# KiCad board GaussSpeedway.kicad_pcb
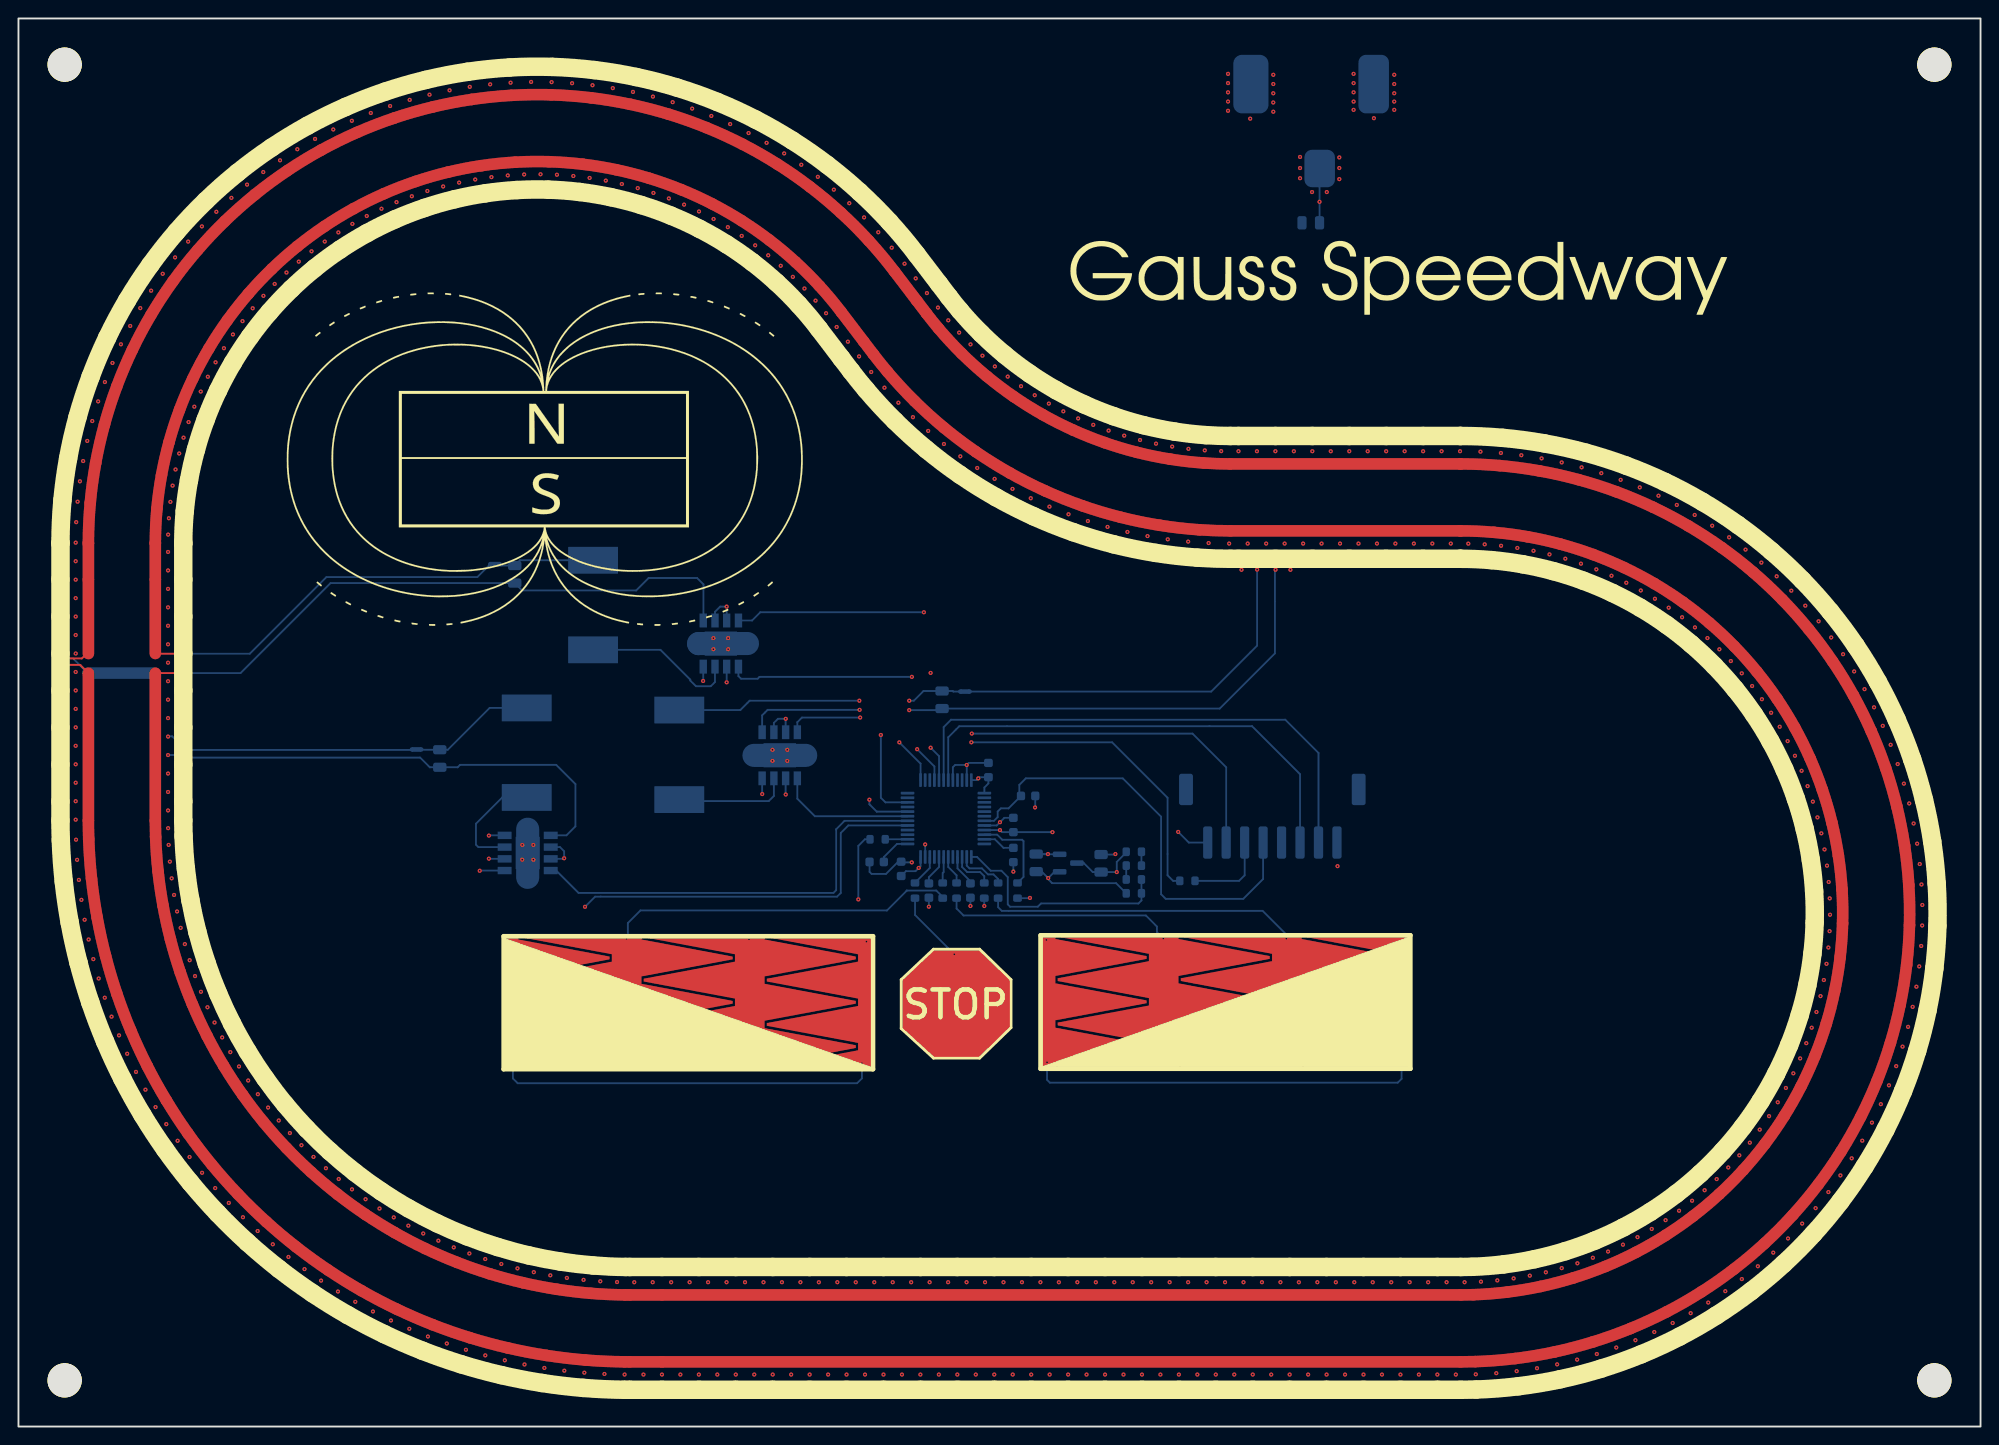
[diagram p0: board, top side]
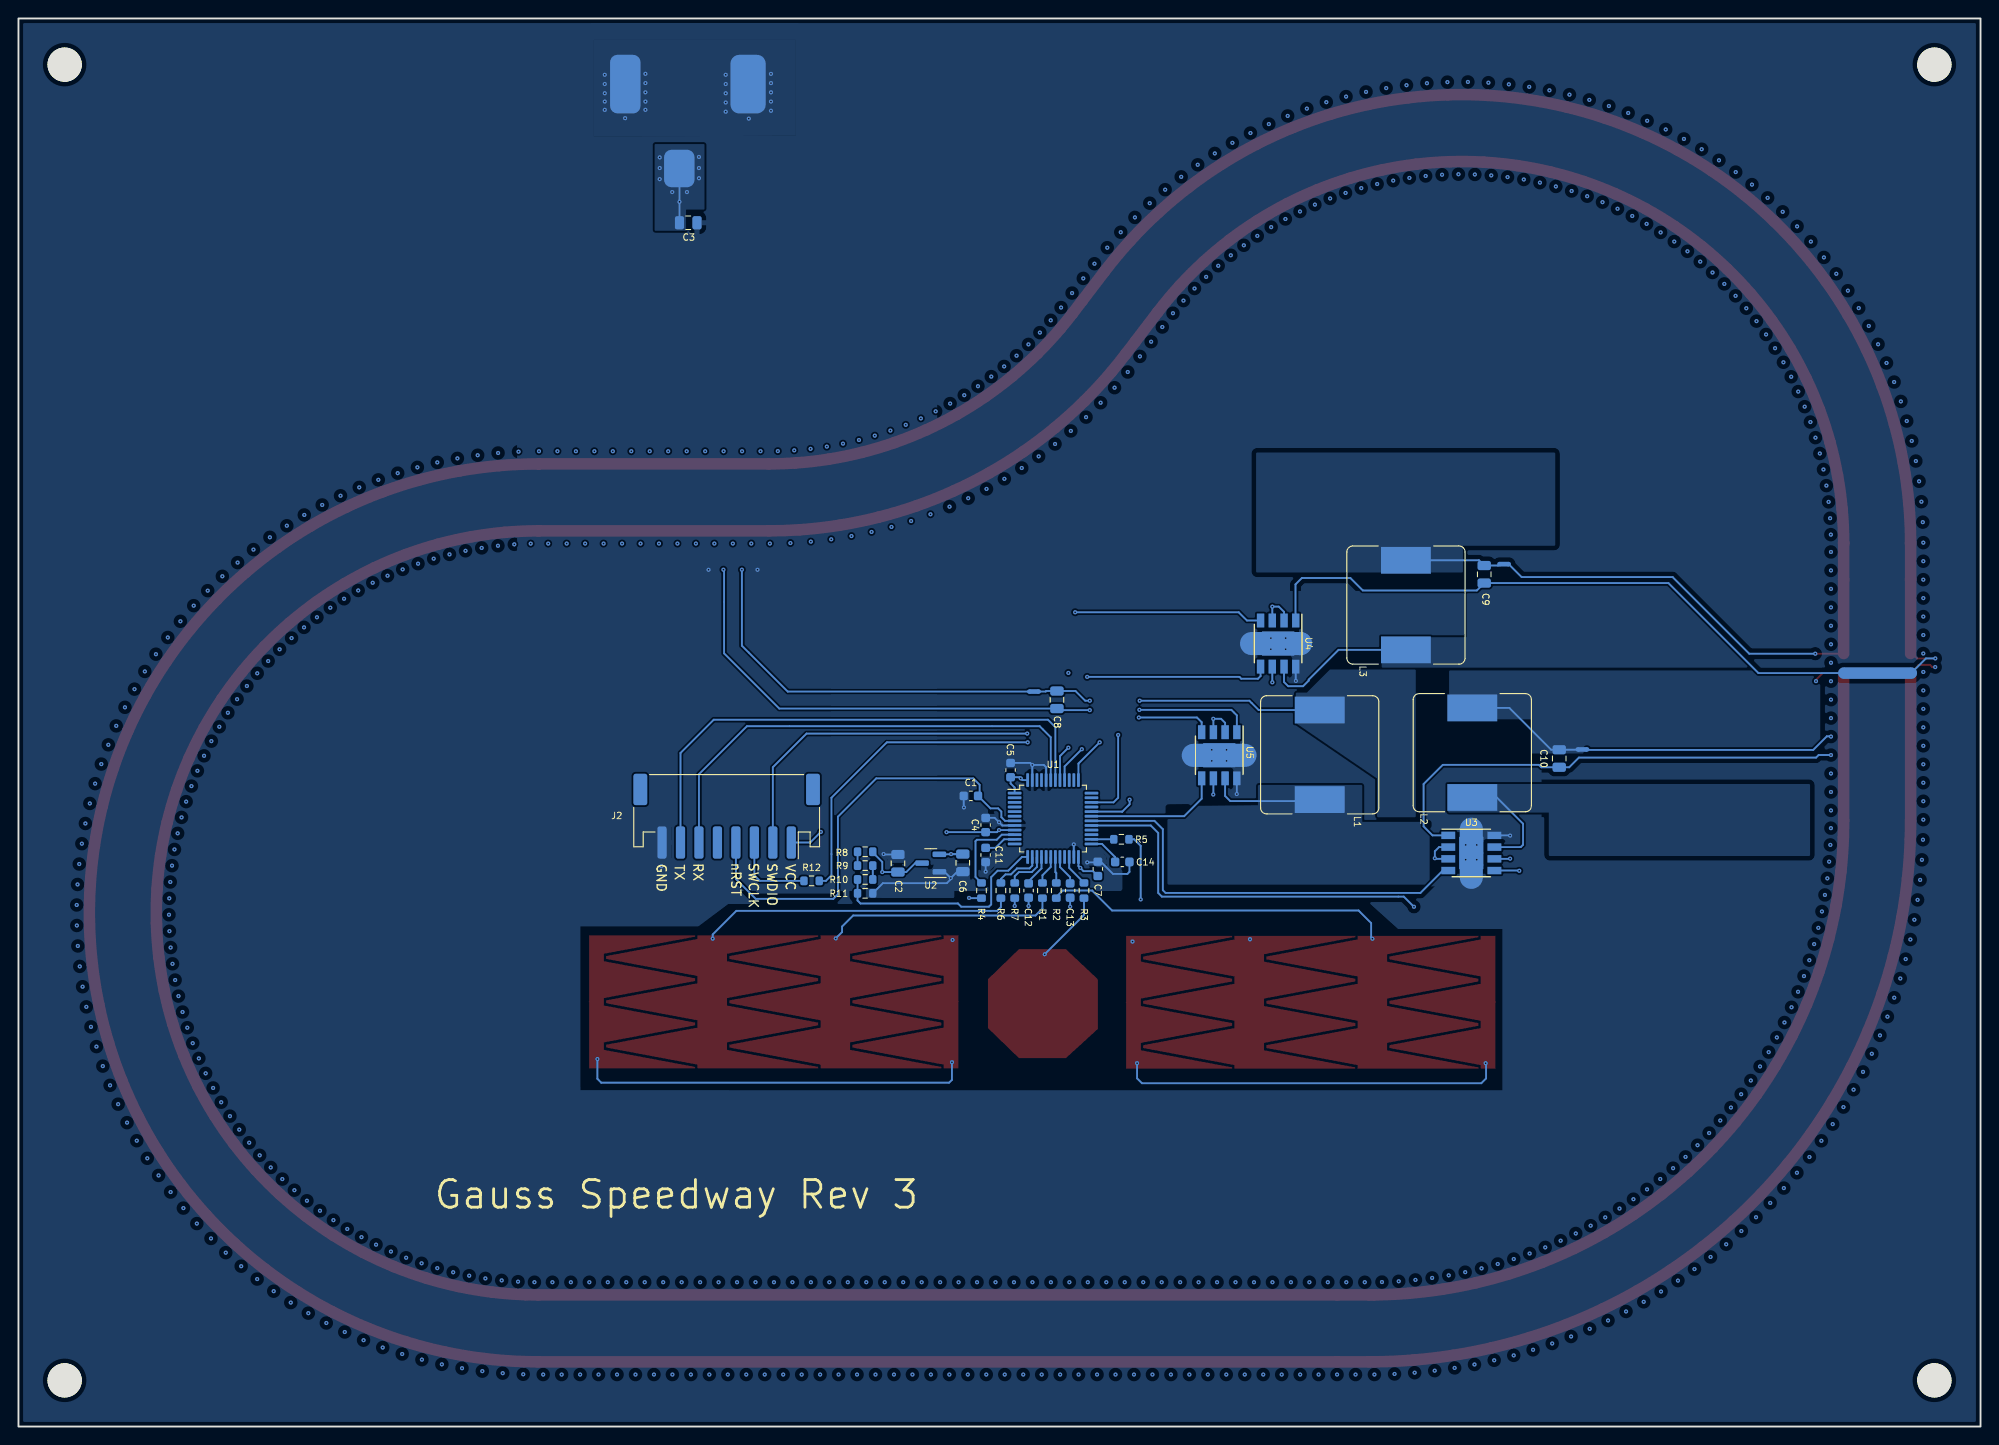
[diagram p1: board, bottom side, seen from below]

Outline 212.5 x 152.5 mm; copper layers: Top, In1.Cu, In2.Cu, Bottom. Coordinates in mm from the lower left corner of the outline.
Outline path: rectangle 0,152.5 212.5,0
Stack: Top 0.035mm / dielectric 1.51mm FR4 er 4.5 / In1.Cu 0.035mm / dielectric 1.51mm FR4 er 4.5 / In2.Cu 0.035mm / dielectric 1.51mm FR4 er 4.5 / Bottom 0.035mm

## Placement (name value [footprint] x y rotation side)
C1  0.22uF  [C_0603_1608Metric]  109.35 68.3 180 bottom
C2  10uF  [C_0805_2012Metric]  117.25 61 90 bottom
C3  10uF  [C_0805_2012Metric]  139.96 130.37 180 bottom
C4  0.22uF  [C_0603_1608Metric]  107.75 65.15 270 bottom
C5  0.22uF  [C_0603_1608Metric]  105.05 71.1 270 bottom
C6  10uF  [C_0805_2012Metric]  110.22 61.05 270 bottom
C7  0.22uF  [C_0603_1608Metric]  95.6 60.4 90 bottom
C8  10uF  [C_0805_2012Metric]  100.03 78.71 90 bottom
C9  10uF  [C_0805_2012Metric]  53.75 92.3 90 bottom
C10  10uF  [C_0805_2012Metric]  45.63 72.35 90 bottom
C11  47nF  [C_0603_1608Metric]  107.75 61.9 270 bottom
C12  47nF  [C_0603_1608Metric]  103.1 58.05 270 bottom
C13  47nF  [C_0603_1608Metric]  98.6 58.05 270 bottom
C14  47nF  [C_0603_1608Metric]  92.95 61.15 180 bottom
G1  Graphic  [magnetlogo]  44 96.5 0 top
G***  LOGO  [Label]  149.5 124.43 0 top
H1  MountingHole  [MountingHole_3.7mm]  5 147.5 180 top
H2  MountingHole  [MountingHole_3.7mm]  207.5 5 180 top
H3  MountingHole  [MountingHole_3.7mm]  207.5 147.5 180 top
H4  MountingHole  [MountingHole_3.7mm]  5 5 180 top
J1  Barrel_Jack_Switch  [RASM722BK_Barrel]  140.13 152.15 0 bottom
J2  JST PH  [JST_PH_S8B-PH-SM4-TB_1x08-1MP_P2.00mm_Horizontal]  135.8 66.1 0 bottom
L1  68u  [L_Bourns_SRR1260]  71.57 72.75 90 bottom
L2  68u  [L_Bourns_SRR1260]  55.04 72.98 90 bottom
L3  68u  [L_Bourns_SRR1260]  62.23 88.97 90 bottom
NT1  NetTie_2  [NetTie-2_SMD_Pad0.5mm]  102.51 79.6 0 bottom
NT2  NetTie_2  [NetTie-2_SMD_Pad0.5mm]  43.12 73.33 180 bottom
NT5  NetTie_2  [NetTie-2_SMD_Pad0.5mm]  51.6 93.4 180 bottom
R1  1k  [R_0603_1608Metric]  101.6 58.05 90 bottom
R2  1k  [R_0603_1608Metric]  100.1 58.05 90 bottom
R3  1k  [R_0603_1608Metric]  97.1 58.05 90 bottom
R4  1k  [R_0603_1608Metric]  108.2 58.05 270 bottom
R5  1k  [R_0603_1608Metric]  93.05 63.6 180 bottom
R6  1k  [R_0603_1608Metric]  106.1 58.05 270 bottom
R7  1k  [R_0603_1608Metric]  104.6 58.05 270 bottom
R8  1k  [R_0603_1608Metric]  120.8 62.25 180 bottom
R9  1k  [R_0603_1608Metric]  120.8 60.75 0 bottom
R10  1k  [R_0603_1608Metric]  120.8 59.25 180 bottom
R11  1k  [R_0603_1608Metric]  120.8 57.75 0 bottom
R12  1k  [R_0603_1608Metric]  126.6 59.1 180 bottom
T1  LinearTouch4  [linear_touch_40.0mm]  92.53 45.95 180 top
T2  Conn_01x01  [button]  101.6 45.8 0 top
T3  LinearTouch4  [linear_touch_40.0mm]  150.7 46 180 top
U1  STM32F051C6Tx  [LQFP-48_7x7mm_P0.5mm]  100.45 65.85 180 bottom
U2  MCP1754S-3302xCB  [SOT-23]  113.7 61.03 0 bottom
U3  ZXBM5210-SP  [Diodes_SO-8EP]  55.15 62.12 180 bottom
U4  ZXBM5210-SP  [Diodes_SO-8EP]  76.07 84.8 270 bottom
U5  ZXBM5210-SP  [Diodes_SO-8EP]  82.45 72.7 270 bottom

## Library data of the parts
C1 C4 C5 C7 = -: Mfg Part Number: CL10B224KA8NNNC; Part Description: CAP CER 0.22UF 25V X7R 0603
C2 C3 C6 C8-C10 = -: Mfg Part Number: CL21A106KAYNNNG; Part Description: CAP CER 10UF 25V X5R 0805
C11-C14 = -: Mfg Part Number: CL10B473KB8WPNC; Part Description: CAP CER 0.047UF 50V X7R 0603
G1 H1-H4 NT1 NT2 NT5 T1-T3 = -: Config: Not Fitted
J1 = -: Mfg Part Number: RASM722BK; Part Description: CONN PWR JACK 2X5.5MM SOLDER
J2 = -: Mfg Part Number: S8B-PH-SM4-TB(LF)(SN); Part Description: CONN HEADER SMD R/A 8POS 2MM
L1-L3 = -: Mfg Part Number: SRR1260A-680M; Part Description: FIXED IND 68UH 2.1A 110 MOHM SMD
R1-R12 = -: Mfg Part Number: AC0603JR-101KL; Part Description: RES 1k 0603 +/- 5% 0.1W Thick Film
U1 = -: Mfg Part Number: STM32F051C6T7; Part Description: IC MCU 32BIT 32KB FLASH 48LQFP
U2 = -: Mfg Part Number: MCP1754ST-3302E/CB; Part Description: IC REG LIN 3.3V 150MA SOT23A-3
U3-U5 = -: Mfg Part Number: ZXBM5210-SP-13; Part Description: IC MOTOR DRIVER 3V-18V 8SO

## Footprints (pads in the part's own frame, mm; a bottom-side part is the same pattern mirrored in y, then rotated)
button
  rrect 8x8 smd: 1(0,0)
C_0603_1608Metric
  rrect 0.9x0.95 smd: 1(-0.775,0) 2(0.775,0)
C_0805_2012Metric
  rrect 1x1.45 smd: 1(-0.95,0) 2(0.95,0)
Diodes_SO-8EP
  rect 1.505x0.802 smd: 1(-2.498,1.905) 2(-2.498,0.635) 3(-2.498,-0.635) 4(-2.498,-1.905) 5(2.498,-1.905) 6(2.498,-0.635) 7(2.498,0.635) 8(2.498,1.905)
  rect 2.613x3.502 smd: 9(0,0)
JST_PH_S8B-PH-SM4-TB_1x08-1MP_P2.00mm_Horizontal
  rrect 1x3.5 smd: 1(-7,2.85) 2(-5,2.85) 3(-3,2.85) 4(-1,2.85) 5(1,2.85) 6(3,2.85) 7(5,2.85) 8(7,2.85)
  rrect 1.5x3.4 smd: MP(-9.35,-2.9) MP(9.35,-2.9)
L_Bourns_SRR1260
  rect 2.9x5.4 smd: 1(-4.85,0) 2(4.85,0)
linear_touch_40.0mm
  custom 11.533x14.4 smd: 1(0,0) 4(40,0)
  custom 22.967x14.4 smd: 2(13.333,0) 3(26.667,0)
LQFP-48_7x7mm_P0.5mm
  rrect 1.475x0.3 smd: 1(-4.162,2.75) 2(-4.162,2.25) 3(-4.162,1.75) 4(-4.162,1.25) 5(-4.162,0.75) 6(-4.162,0.25) 7(-4.162,-0.25) 8(-4.162,-0.75) 9(-4.162,-1.25) 10(-4.162,-1.75) 11(-4.162,-2.25) 12(-4.162,-2.75) 25(4.162,-2.75) 26(4.162,-2.25) 27(4.162,-1.75) 28(4.162,-1.25) 29(4.162,-0.75) 30(4.162,-0.25) 31(4.162,0.25) 32(4.162,0.75) 33(4.162,1.25) 34(4.162,1.75) 35(4.162,2.25) 36(4.162,2.75)
  rrect 0.3x1.475 smd: 13(-2.75,-4.162) 14(-2.25,-4.162) 15(-1.75,-4.162) 16(-1.25,-4.162) 17(-0.75,-4.162) 18(-0.25,-4.162) 19(0.25,-4.162) 20(0.75,-4.162) 21(1.25,-4.162) 22(1.75,-4.162) 23(2.25,-4.162) 24(2.75,-4.162) 37(2.75,4.162) 38(2.25,4.162) 39(1.75,4.162) 40(1.25,4.162) 41(0.75,4.162) 42(0.25,4.162) 43(-0.25,4.162) 44(-0.75,4.162) 45(-1.25,4.162) 46(-1.75,4.162) 47(-2.25,4.162) 48(-2.75,4.162)
MountingHole_3.7mm
  round 3.7 hole 3.7 unplated: (0,0)
NetTie-2_SMD_Pad0.5mm
  round 0.5 smd: 1(-0.5,0) 2(0.5,0)
R_0603_1608Metric
  rrect 0.8x0.95 smd: 1(-0.825,0) 2(0.825,0)
RASM722BK_Barrel
  rrect 3.3x4.06 smd: 1(0.8,15.9)
  rrect 3.81x6.35 smd: 2(-6.65,6.76)
  rrect 3.3x6.35 smd: 3(6.65,6.76)
SOT-23
  rrect 1.475x0.6 smd: 1(-0.938,0.95) 2(-0.938,-0.95) 3(0.938,0)

## Nets
/VBUS_SENSE: R10.1 R11.2 U1.13
GND: C1.1 C2.2 C3.2 C4.1 C5.1 C6.2 C7.2 C11.2 C12.2 C13.2 C14.2 J1.2 J1.3 J2.8 R11.1 U1.8 U1.23 U1.44 U1.47 U2.1 U3.8 U3.9 U4.8 U4.9 U5.8 U5.9
VBUS: C2.1 C3.1 J1.1 R8.2 U2.3 U3.2 U3.3 U3.6 U4.2 U4.3 U4.6 U5.2 U5.3 U5.6
VCC: C4.2 C5.2 C6.1 C7.1 J2.1 U1.1 U1.9 U1.24 U1.48 U2.2
/1A_N: L1.1 U5.7
/1A_P: C8.1 NT1.2 U5.1
/1B_N: L2.1 U3.7
/1B_P: C10.1 NT2.2 U3.1
/A_IN1: U1.32 U5.4
/A_IN2: U1.31 U5.5
/B_IN1: U1.30 U3.4
/B_IN2: U1.29 U3.5
/FWD1: R5.2 T1.1 T1.4
/FWD2: R7.2 T1.2
/FWD3: R2.1 T1.3
/G1_N: L3.1 U4.7
/G1_P: C9.1 NT5.2 U4.1
/G1_SAMPLE: C11.1 U1.11
/G2_SAMPLE: C12.1 U1.16
/G3_SAMPLE: C13.1 U1.20
/G6_SAMPLE: C14.1 U1.25
/G_IN1: U1.41 U4.4
/G_IN2: U1.40 U4.5
/NRST: C1.2 J2.4 U1.7
/REV1: R4.2 T3.1 T3.4
/REV2: R6.2 T3.2
/REV3: R1.1 T3.3
/STOP: R3.1 T2.1
/SWCLK: J2.3 R12.1
/SWDIO: J2.2 U1.34
/UART_RX: J2.6 U1.43
/UART_TX: J2.7 U1.42
Net-(C8-Pad2): C8.2 L1.2 NT1.1
Net-(C9-Pad2): C9.2 L3.2 NT5.1
Net-(C10-Pad2): C10.2 L2.2 NT2.1
Net-(R1-Pad2): R1.2 U1.18
Net-(R2-Pad2): R2.2 U1.19
Net-(R3-Pad2): R3.2 U1.22
Net-(R4-Pad1): R4.1 U1.10
Net-(R5-Pad1): R5.1 U1.26
Net-(R6-Pad1): R6.1 U1.14
Net-(R7-Pad1): R7.1 U1.15
Net-(R8-Pad1): R8.1 R9.2
Net-(R10-Pad2): R9.1 R10.2
Net-(R12-Pad2): R12.2 U1.37

Pads without a net: J2 5 MP; U1 2 3 4 5 6 12 17 21 27 28 33 35 36 38 39 45 46

## Via types
v1: diameter 0.45, hole 0.2, Top to Bottom, 641 vias

## Routing (per net, layer and track width the routed paths; a pad name or vN(x,y) marks a point on that pad's centre or on a via; arc(x,y) is an arc through that point)
/VBUS_SENSE: length 24.9
  Bottom w0.2: U1.13 103.81,61.69 105.3,60.2 106.45,60.2 107.15,59.5 107.15,56.55 107.4,56.3 110.4,56.3 110.75,56.65 121.3,56.65 121.62,56.97 R11.2 R10.1
GND: length 72
  In1.Cu w0.2: v1(107.75,60.1) 104.38,60.1 103.12,58.85 103.12,58.35 103.1,58.32 v1(103.1,56.38) ; v1(98.6,56.3) 98.6,62.65 v1(98.2,63.05)
  Bottom w0.2: v1(110.1,67.05) 110.12,67.07 C1.1 ; U1.47 v1(102.7,71.65) ; v1(102.7,71.65) 101.45,71.65 101.2,71.4 U1.44 ; v1(102.7,71.65) 102.93,71.88 C5.1 ; 92.18,61.15 92.18,60.07 92.4,59.85 93.95,59.85 95.28,61.18 C7.2 95.68,61.1 v1(96.75,61.1) ; v1(111.53,59.4) 111.53,59.28 111.95,58.85 118.88,58.85 R11.1 ; v1(111.53,59.4) 110.82,60.1 C6.2 ; v1(111.53,59.4) 112.2,60.07 U2.1 ; v1(74.15,80.75) 74.16,80.76 U4.8 ; C2.2 118.75,61.95 v1(118.8,62) ; U5.8 80.54,68.5 v1(80.55,68.5) ; C4.1 106.78,65.93 v1(106.3,65.45) 105.95,65.1 U1.8 ; U1.23 v1(98.2,63.05) ; C13.2 v1(98.6,56.3) ; U3.8 50.97,64.03 v1(50.95,64) ; C11.2 v1(107.75,60.1) ; 103.1,57.32 v1(103.1,56.38)
  Bottom w2.5: 78.95,84.8 73.67,84.8 73.66,84.79 ; 55.15,59.48 55.15,64.69 ; 79.66,72.69 85.26,72.69
  vias: v1(54.56,62.99) v1(54.56,61.39) v1(55.76,62.99) v1(55.76,61.39) v1(75.26,85.39) v1(75.26,84.19) v1(76.86,85.39) v1(76.86,84.19) v1(81.66,73.29) v1(81.66,72.09) v1(83.26,73.29) v1(83.26,72.09) v1(131,146.5) v1(131,145.5) v1(131,144.5) v1(131,143.5) v1(131,142.5) v1(132.46,92.79) v1(133.4,141.65) v1(135.9,146.4) v1(135.9,145.4) v1(135.9,144.4) v1(135.9,143.4) v1(135.9,142.4) v1(137.76,92.79) v1(142.86,60.69) v1(144.6,146.5) v1(144.6,145.5) v1(144.6,144.5) v1(144.6,143.5) v1(144.6,142.6) v1(146.8,141.7) v1(149,146.4) v1(149,145.4) v1(149,144.4) v1(149,143.5) v1(149,142.6)
VBUS: length 30.2
  Bottom w0.2: U4.3 76.71,88.8 v1(76.7,88.8) 76,88.8 75.44,88.23 U4.2 ; J1.1 140.91,136.23 v1(140.91,132.64) C3.1 ; U3.2 58.65,62.75 59.1,62.3 v1(59.1,61.55) 59.03,61.49 U3.3 ; U5.3 83.09,76.63 v1(83.1,76.65) 82.25,76.65 81.81,76.22 U5.2 ; U2.3 115.38,61.03 116.35,60.05 C2.1 v1(118.95,60.05) 118.95,61.15 119.97,62.18 R8.2 ; v1(83.1,68.45) 83.09,68.47 U5.6 ; U3.6 50.97,61.49 v1(50.95,61.5) ; v1(76.7,80.6) 76.71,80.6 U4.6
  vias: v1(138.8,137.5) v1(138.8,136.3) v1(138.8,135.2) v1(140.1,133.7) v1(141.7,133.7) v1(143.05,137.45) v1(143.05,136.3) v1(143.05,135.1)
VCC: length 36
  In1.Cu w0.2: v1(111.99,64.38) 112.01,64.4 v1(125.6,64.4)
  Bottom w0.2: U2.2 110.25,61.97 C6.1 v1(111.5,62) ; v1(111.99,64.38) C4.2 106.53,64.38 v1(106.3,64.6) U1.9 ; v1(125.6,64.4) 126.75,63.25 J2.1 ; U1.48 103.76,70.01 v1(103.95,70.2) 104.07,70.32 C5.2 105.05,69.65 104.61,69.21 U1.1 ; U1.24 97.7,60.7 v1(97.5,60.5) 97.15,60.15 96.12,60.15 C7.1
/1A_N: length 12.4
  Bottom w0.2: L1.1 71.73,67.74 81.26,67.74 81.81,68.29 U5.7
/1A_P: length 3476.4
  In1.Cu w0.3: v1(134.15,92.8) 134.14,92.81 134.14,94.99 ; 136.14,94.99 136.14,92.81 v1(136.15,92.8)
  In1.Cu w0.45: 29.24,18.37 35.8,26.75 arc(36.44,26.26) 37.23,25.68 v1(30.98,17.05) ; v1(199.93,79.86) 190.62,74.7 arc(190.24,75.36) 189.74,76.21 v1(198.81,81.78) ; v1(6.2,91.72) 16.85,91.72 16.85,89.72 ; v1(123.68,5.63) 123.68,16.28 121.68,16.28 121.68,5.63 ; 175.12,9.35 171.09,19.21 arc(171.8,19.5) 172.7,19.91 v1(177.16,10.24) ; v1(156.13,105.63) 156.13,94.98 154.13,94.98 v1(154.13,105.63) ; v1(113.16,109.95) 108.35,100.45 arc(109.23,100.02) 110.38,99.48 v1(114.77,109.18) ; v1(205.92,60.92) 195.33,59.79 arc(195.42,58.81) 195.47,58.05 v1(206.1,58.71) ; 24.76,134.51 31.45,126.23 arc(30.86,125.74) 30.12,125.1 v1(23.06,133.07) ; 18.9,51.56 v1(8.69,48.52) ; v1(196.02,25.4) 187.54,31.84 arc(188,32.45) 188.57,33.25 ; v1(16.01,32.75) 24.92,38.59 arc(24.38,39.42) 23.96,40.11 14.85,34.6 ; v1(113.68,5.63) 113.68,16.28 115.68,16.28 v1(115.68,5.63) ; v1(38.16,142.26) 42,132.33 arc(42.93,132.67) 43.65,132.92 40.25,143.02 ; v1(171.43,103.25) 168.18,93.11 arc(169.12,92.8) 169.84,92.54 v1(173.53,102.53) ; v1(89.69,5.63) 89.69,16.28 91.68,16.28 ; 119.68,16.28 v1(119.68,5.63) ; v1(34.6,14.62) 40.21,23.68 arc(39.38,24.21) 38.7,24.65 v1(32.77,15.8) ; v1(93.12,129.35) 85.25,122.17 arc(84.73,122.73) 84.05,123.43 ; 44.34,9.75 48.22,19.67 arc(48.98,19.38) 49.91,19.05 v1(46.39,8.99) ; 13.19,121.13 22.35,115.7 arc(21.97,115.04) 21.49,114.18 v1(12.1,119.2) ; v1(42.33,10.58) 46.57,20.35 arc(45.66,20.76) 44.93,21.1 v1(40.34,11.49) ; v1(18.53,29.19) 26.99,35.66 arc(26.4,36.45) 25.93,37.1 v1(17.24,30.95) ; v1(128.48,105.73) 127.75,95.1 arc(126.48,95.2) 125.5,95.31 v1(126.71,105.89) ; 99.68,16.28 v1(99.68,5.63) ; 203.53,71.75 193.45,68.31 arc(193.19,69.03) 192.85,69.96 v1(202.77,73.83) ; 178.75,23.39 v1(184.86,14.66) ; 93.68,5.63 93.68,16.28 95.68,16.28 v1(95.68,5.63) ; v1(183.44,97.56) 177.63,88.63 arc(178.45,88.08) 179.08,87.64 185.27,96.31 ; v1(46.69,144.72) 48.72,134.26 arc(49.68,134.44) 50.44,134.56 48.88,145.09 ; 193.18,21.98 185.3,29.15 arc(185.81,29.72) 186.45,30.47 v1(194.64,23.66) ; v1(48.46,8.31) 51.61,18.49 arc(52.38,18.25) 53.33,17.99 v1(50.56,7.7) ; 6.54,59.2 17.13,60.34 arc(17.23,59.54) 17.36,58.56 v1(6.82,57.04) ; 9.35,46.45 19.44,49.85 arc(19.7,49.09) 20.04,48.16 v1(10.08,44.39) ; 61.29,5.83 62.16,16.45 arc(62.96,16.39) 63.95,16.33 ; 84.05,123.43 v1(91.58,130.96) ; v1(201.71,34.91) 192.01,39.33 arc(191.59,38.44) 191.25,37.75 200.74,32.91 ; v1(203.36,39.03) 193.32,42.57 arc(192.98,41.64) 192.7,40.93 v1(202.58,36.96) ; 124.95,106.13 123.27,95.61 arc(122.03,95.83) 121.06,96.02 v1(123.2,106.45) ; 147.67,16.28 145.67,16.28 v1(145.67,5.63) ; v1(158.34,105.58) 157.88,94.94 arc(158.87,94.89) 159.63,94.83 160.56,105.44 ; v1(104.4,115.98) 97.26,108.08 arc(97.99,107.43) 98.96,106.61 105.75,114.81 ; v1(167.14,104.42) 164.81,94.03 arc(165.77,93.8) 166.51,93.61 169.3,103.88 ; v1(173.05,8.56) 169.46,18.58 arc(168.53,18.26) 167.8,18.03 170.94,7.85 ; v1(206.07,52.05) 195.45,52.81 arc(195.36,51.83) 195.28,51.07 205.86,49.83 ; v1(34.09,140.48) 38.8,130.93 arc(39.69,131.35) 40.39,131.66 v1(36.11,141.42) ; 18.38,128.33 26.43,121.37 arc(25.94,120.78) 25.32,120.02 ; v1(56.96,6.35) 58.6,16.87 arc(59.39,16.75) 60.37,16.62 v1(59.12,6.05) ; v1(181.11,12.28) 175.8,21.51 arc(174.94,21.03) 174.27,20.67 179.16,11.21 ; 6.2,87.72 16.85,87.72 16.85,85.72 v1(6.2,85.72) ; v1(168.81,7.25) 166.12,17.55 arc(165.16,17.32) 164.42,17.15 v1(166.64,6.73) ; v1(143.67,5.63) 143.67,16.28 141.67,16.28 v1(141.67,5.63) ; 21.43,131.56 28.83,123.91 arc(28.29,123.37) 27.61,122.66 v1(19.87,129.98) ; v1(36.48,13.51) 41.75,22.76 arc(42.46,22.37) 43.33,21.9 v1(38.39,12.46) ; v1(98.39,122.76) 89.92,116.3 88.71,117.89 ; v1(59.96,145.49) 59.16,134.87 arc(60.14,134.78) 60.9,134.7 v1(62.17,145.27) ; v1(6.2,67.73) 16.85,67.73 16.85,65.73 v1(6.2,65.73) ; v1(88.31,133.96) 81.47,125.79 arc(82.22,125.15) 82.78,124.64 v1(89.98,132.49) ; v1(32.12,139.45) 37.25,130.12 arc(36.59,129.74) 35.74,129.24 v1(30.2,138.34) ; v1(12.73,38.41) 22.22,43.24 arc(22.59,42.53) 23.06,41.66 v1(13.75,36.48) ; 119.68,16.28 117.68,16.28 v1(117.68,5.63) ; 108.58,112.67 102.55,103.9 arc(101.51,104.63) 100.72,105.21 v1(107.14,113.71) ; v1(72.96,142.74) 69.39,132.7 arc(70.32,132.36) 71.03,132.08 v1(75.04,141.94) ; v1(206.19,56.49) 195.54,56.3 arc(195.55,55.32) 195.53,54.56 v1(206.18,54.27) ; 99.68,16.28 97.68,16.28 v1(97.68,5.63) ; 16.85,89.72 v1(6.2,89.72) ; v1(135.68,5.63) 135.68,16.28 133.68,16.28 v1(133.68,5.63) ; v1(144.13,105.63) 144.13,94.98 142.13,94.98 v1(142.13,105.63) ; v1(83.69,5.63) 83.69,16.28 81.69,16.28 81.69,5.63 ; 197.61,83.65 188.79,77.68 arc(188.36,78.31) 187.78,79.11 v1(196.33,85.46) ; v1(198.55,29.05) 189.53,34.71 arc(189.93,35.36) 190.42,36.21 v1(199.69,30.96) ; 111.6,110.79 106.36,101.52 arc(105.27,102.15) 104.43,102.66 v1(110.07,111.7) ; 205.63,63.12 195.1,61.53 arc(194.98,62.28) 194.8,63.25 v1(205.25,65.31) ; v1(94.58,127.68) 86.4,120.85 arc(87.03,120.09) 87.5,119.48 95.97,125.94 ; v1(82.93,137.88) 77.24,128.88 arc(76.59,129.29) 75.74,129.79 v1(81.03,139.03) ; 25.32,120.02 v1(16.96,126.62) ; v1(79.69,5.63) 79.69,16.28 77.69,16.28 v1(77.69,5.63) ; 147.67,16.28 v1(147.67,5.63) ; v1(103.68,5.63) 103.68,16.28 101.68,16.28 101.68,5.63 ; v1(111.68,5.63) 111.68,16.28 109.68,16.28 109.68,5.63 ; v1(87.69,5.63) 87.69,16.28 85.69,16.28 v1(85.69,5.63) ; 161.37,94.64 v1(162.77,105.2) ; 205.15,45.45 194.72,47.62 arc(194.87,48.37) 195.04,49.34 v1(205.56,47.64) ; v1(200.97,77.89) 191.43,73.15 arc(191.86,72.27) 192.18,71.57 v1(201.91,75.88) ; v1(8.63,111.03) 18.76,107.75 arc(19.08,108.68) 19.34,109.4 9.36,113.13 ; v1(11.77,40.37) 21.43,44.85 arc(21.03,45.76) 20.71,46.5 v1(10.89,42.37) ; v1(6.2,73.72) 16.85,73.72 16.85,75.72 v1(6.2,75.72) ; 129.99,95 v1(130.26,105.64) ; 162.26,6 160.97,16.57 arc(161.73,16.67) 162.7,16.82 v1(164.46,6.32) ; v1(6.2,69.73) 16.85,69.73 16.85,71.73 6.2,71.73 ; v1(204.05,41.15) 193.86,44.23 arc(194.08,44.96) 194.33,45.92 v1(204.65,43.29) ; 188.57,33.25 v1(197.33,27.19) ; 71.69,16.28 69.69,16.28 v1(69.69,5.63) ; 137.67,5.63 137.67,16.28 139.67,16.28 v1(139.67,5.63) ; 91.69,16.28 v1(91.69,5.63) ; 28.33,137.14 34.27,128.3 arc(33.64,127.87) 32.84,127.29 v1(26.51,135.86) ; v1(21.3,25.83) 29.27,32.89 arc(28.62,33.64) 28.11,34.25 19.89,27.48 ; v1(6.23,63.55) 16.88,63.92 arc(16.91,63.12) 16.97,62.13 ; v1(187.05,94.98) 180.48,86.6 arc(181.25,85.98) 181.83,85.49 v1(188.77,93.57) ; v1(105.68,5.63) 105.68,16.28 107.68,16.28 v1(107.68,5.63) ; v1(193.52,88.9) 185.57,81.82 arc(186.22,81.07) 186.7,80.49 194.96,87.21 ; 164.96,104.86 163.09,94.37 arc(162.34,94.5) 161.37,94.64 ; v1(52.67,7.17) 55.07,17.55 arc(55.86,17.38) 56.83,17.18 ; v1(101.88,118.48) 94.06,111.25 arc(94.73,110.53) 95.62,109.63 v1(103.11,117.2) ; 181.55,98.73 176.15,89.55 arc(175.48,89.93) 174.62,90.4 v1(179.61,99.81) ; v1(65.64,5.63) 65.74,16.28 arc(65.95,16.28) 66.2,16.28 67.69,16.28 v1(67.69,5.63) ; v1(151.67,5.63) 151.67,16.28 149.67,16.28 149.67,5.63 ; 11.1,117.21 20.7,112.62 arc(20.38,111.92) 19.98,111.02 v1(10.18,115.19) ; v1(7,104.57) 17.48,102.66 arc(17.35,101.91) 17.21,100.94 v1(6.66,102.37) ; 53.3,145.55 53.92,134.91 arc(53.15,134.86) 52.17,134.77 v1(51.08,145.37) ; 6.4,100.17 17.01,99.2 arc(16.95,98.44) 16.89,97.46 v1(6.25,97.95) ; v1(118.07,107.87) 114.56,97.81 arc(113.37,98.24) 112.45,98.6 ; 86.58,135.34 80.1,126.89 arc(79.49,127.34) 78.69,127.92 ; 66.05,133.73 v1(68.72,144.04) ; v1(75.69,5.63) 75.69,16.28 73.69,16.28 73.69,5.63 ; 190.05,18.83 182.84,26.67 arc(183.4,27.19) 184.1,27.88 ; 6.2,79.72 16.85,79.72 16.85,77.72 v1(6.2,77.72) ; 192.01,90.53 184.38,83.09 arc(183.84,83.64) 183.13,84.32 v1(190.42,92.08) ; 140.13,105.63 140.13,94.98 138.13,94.98 v1(138.13,105.63) ; v1(14.37,123.02) 23.28,117.18 arc(23.83,118) 24.27,118.62 v1(15.62,124.85) ; v1(7.45,106.74) 17.83,104.38 arc(18.06,105.33) 18.26,106.07 7.99,108.9 ; 148.13,105.63 148.13,94.98 146.13,94.98 v1(146.13,105.63) ; v1(153.67,5.63) 153.67,16.28 155.67,16.28 v1(155.67,5.63) ; v1(22.78,24.22) 30.49,31.57 arc(31.05,30.99) 31.75,30.29 v1(24.31,22.67) ; v1(204.77,67.48) 194.43,64.96 arc(194.24,65.7) 193.97,66.65 v1(204.2,69.63) ; v1(77.08,141.06) 72.63,131.39 arc(73.52,130.96) 74.2,130.62 v1(79.07,140.09) ; 186.65,15.97 180.16,24.42 arc(180.76,24.89) 181.53,25.51 v1(188.38,17.36) ; v1(99.58,121.19) 91.15,114.69 arc(91.76,113.91) 92.57,112.93 v1(100.7,119.81) ; v1(136.13,105.63) 136.13,94.98 ; 112.45,98.6 v1(116.4,108.49) ; 134.13,94.98 v1(134.13,105.63) ; 34.41,27.88 v1(27.55,19.74) ; 71.69,16.28 v1(71.69,5.63) ; v1(177.62,100.81) 173.06,91.19 arc(172.36,91.51) 171.46,91.9 v1(175.59,101.72) ; 127.68,16.28 125.68,16.28 v1(125.68,5.63) ; 88.71,117.89 v1(97.18,124.35) ; 78.69,127.92 v1(84.78,136.66) ; 63.95,16.33 v1(63.46,5.69) ; v1(7.6,52.75) 18,55.03 arc(17.8,56) 17.65,56.79 v1(7.17,54.89) ; v1(6.2,81.72) 16.85,81.72 16.85,83.72 v1(6.2,83.72) ; 184.1,27.88 v1(191.65,20.37) ; 16.97,62.13 v1(6.35,61.38) ; v1(8.1,50.63) 18.42,53.29 arc(18.62,52.51) 18.9,51.56 ; v1(160.05,5.78) 159.23,16.4 arc(158.25,16.33) 157.49,16.3 v1(157.83,5.66) ; 57.74,145.61 57.41,134.96 arc(56.65,134.98) 55.66,134.98 v1(55.52,145.63) ; v1(152.13,105.63) 152.13,94.98 150.13,94.98 v1(150.13,105.63) ; 44.52,144.25 47.01,133.89 arc(46.27,133.71) 45.32,133.45 ; v1(6.2,95.73) 16.85,95.71 arc(16.85,95.67) 16.85,95.63 16.85,93.72 v1(6.2,93.72) ; v1(131.68,5.63) 131.68,16.28 129.68,16.28 129.68,5.63 ; 70.85,143.43 67.73,133.25 arc(67,133.47) 66.05,133.73 ; 183.01,13.43 177.3,22.42 arc(177.94,22.83) 178.75,23.39 ; 56.83,17.18 v1(54.81,6.72) ; v1(132.13,105.63) 132.13,94.98 131.25,94.98 arc(130.54,94.98) 129.99,95 ; 116.7,97.12 v1(119.76,107.32) ; 127.68,16.28 v1(127.68,5.63) ; v1(64.37,144.96) 62.63,134.45 arc(63.6,134.28) 64.35,134.13 66.55,144.55 ; 25.9,21.17 33.06,29.07 arc(33.66,28.53) 34.41,27.89 ; v1(121.47,106.84) 118.87,96.52 arc(117.64,96.84) 116.7,97.12 ; 45.32,133.45 v1(42.37,143.68)
  In2.Cu w0.2: v1(96.47,77.59) 96.44,77.62 v1(91.1,77.62)